# Altium PCB SI941C.PcbDoc (part 2 of 3)
Units mm, origin at the board's own origin, x right, y up, seen from the top; angles counter-clockwise.
Board outline 281.94 x 89 mm, 4 copper layers (Top, MidLayer1, MidLayer2, Bottom), stack 1.65 mm thick; 324 components, 169 nets, 867 pads, 510 vias.
Unrouted connection lines stored in the file: 3.
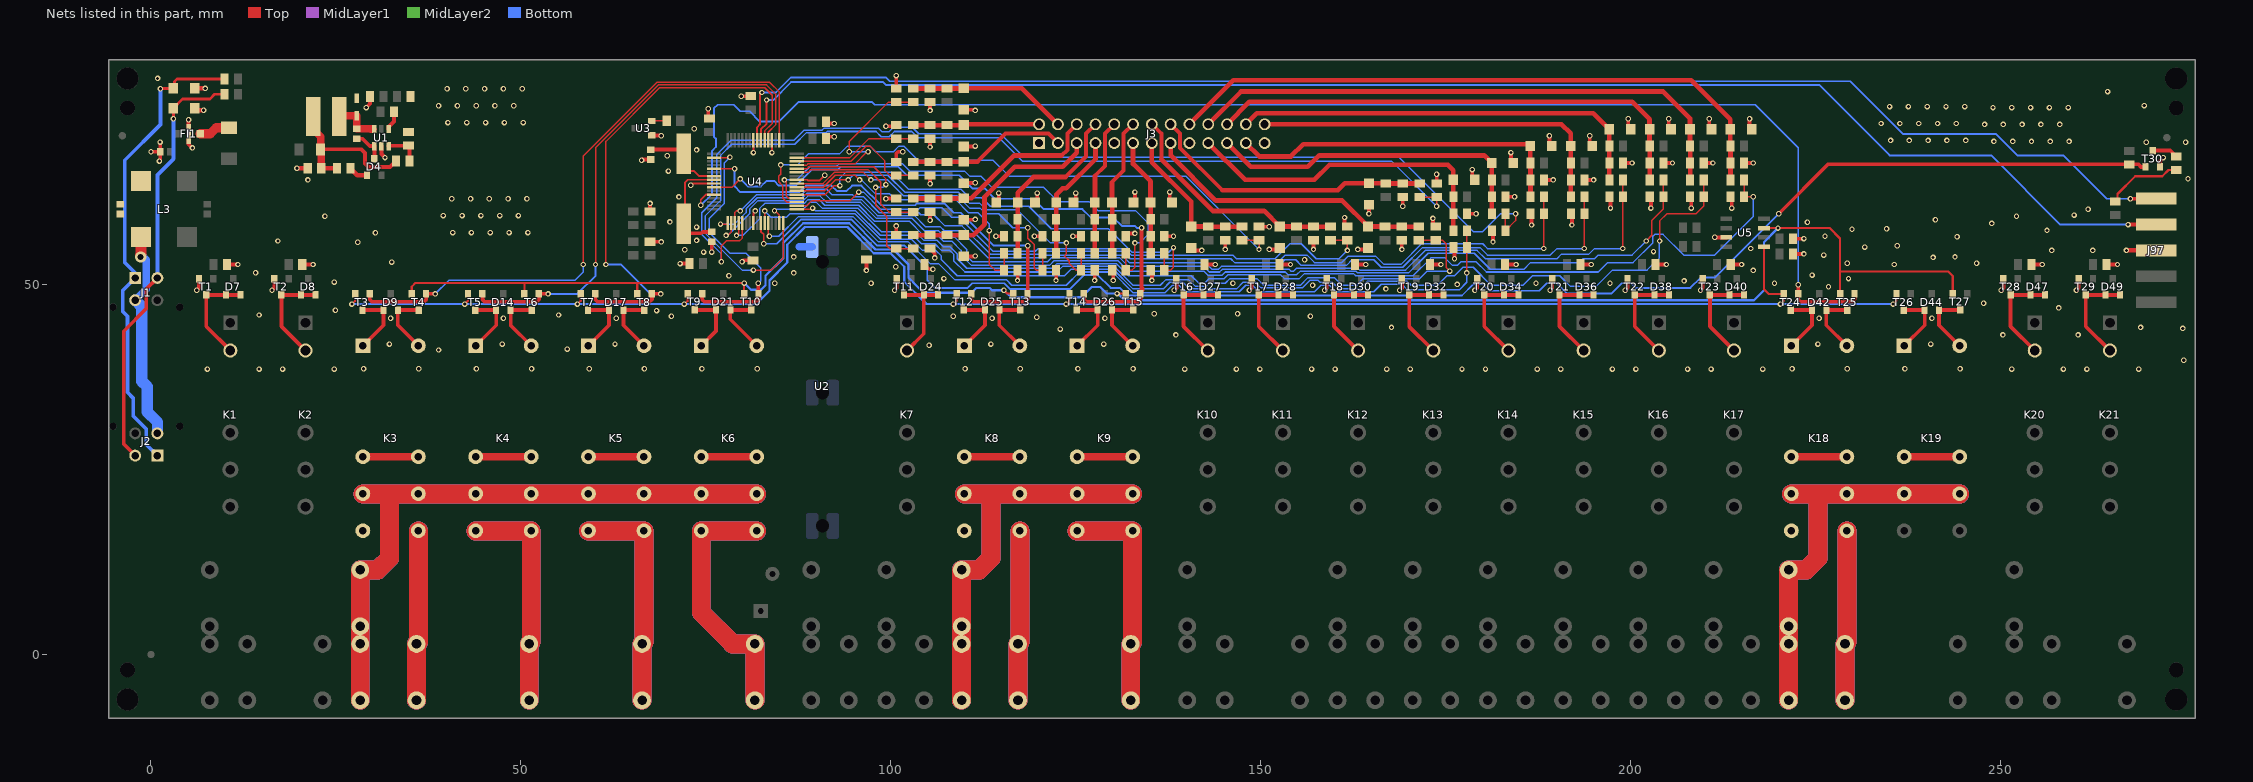
[diagram p4: the nets of this part, all layers, seen from the top]

## Via types
v1: diameter 0.737, hole 0.432, Top to Bottom, 503 vias
v2: diameter 1.524, hole 0.8, Top to Bottom, 4 vias
v3: diameter 1.27, hole 0.8, Top to Bottom, 3 vias

## Nets (pads, with @x,y where several pads share a name; then routed paths per layer and width w, separated by ;. In a path a pad name is that pad's centre, name@x,y a point inside that pad or via, vN(x,y) a via of type N, cw(c..) or ccw(c..) an arc to the next point about the centre after c; other vN are vias at no path point) (continued)
GND: C1.2 C2.1 C4.1 C5.1 C6.1 C7.1 C8.1 C9.1 C10.1 C11.1 C12.1 C13.1 C14.1 C15.2 C16.1 C17.2 C18.1 C19.1 C20.1 C21.1 C22.1 C23.1 C24.1 C25.1 C26.1 C27.1 C28.1 C29.1 C30.1 C31.1 C32.1 C33.1 C34.1 C35.1 C36.1 C37.1 C38.2 C39.1 C40.1 D1.A D2.A D6.A D10.A D11.A D12.A D13.A D15.A D16.A D18.A D19.A D20.A D22.A D23.A D29.A D31.A D33.A D35.A D37.A D39.A D41.A D43.A D45.A D46.A D48.A FI1.2 J3.1 J3.9 J3.17 J3.25 J97.3 L3.4 R2.1 R6.1 R7.1 R11.1 R13.1 R17.1 R19.1 R22.1 R24.1 R29.1 R31.1 R34.1 R37.1 R39.1 R41.1 R45.1 R46.1 R48.1 R50.1 R52.1 R54.1 R56.1 R58.1 R60.1 R62.1 R63.1 R66.1 R67.1 R72.1 R73.1 R76.1 R79.1 R82.1 R85.1 R86.1 R89.1 R94.1 T1.2 T2.2 T11.2 T16.2 T17.2 T18.2 T19.2 T20.2 T21.2 T22.2 T23.2 T28.2 T29.2 T30.2 U1.2 U2.3UC U3.1 U4.9 U4.20 U4.25 U4.41 U4.56 U5.3 | length 189.9
  Top w0.254: v1(72.934,63.422) 73.16,63.648 U4.41@76.065,63.648 ; v1(81.407,67.818) 81.415,67.826 U4.25@81.415,69.498 ; U4.56@81.415,58.298 81.415,59.715 v1(81.644,59.944) ; v1(83.915,67.818) U4.20@83.915,69.498 U4.20@83.947,69.466 ; U4.9@87.265,64.148 88.683,64.148 88.773,64.058 90.347,64.058 v1(91.059,64.77)
  Top w0.5: v1(5.08,72.263) FI1.2@5.08,70.358 5.08,68.961 v1(5.588,68.453)
  Top w0.508: v1(0,67.945) C40.1@1.234,67.945 ; v1(1.143,66.675) 1.234,66.766 C40.1@1.234,67.945 ; v1(1.234,69.251) C40.1@1.234,67.945 ; v1(6.191,49.212) 6.486,49.508 T1.2@6.486,50.789 ; R6.1@10.281,52.705 v1(11.747,52.705) ; v1(16.351,49.212) 16.646,49.508 T2.2@16.646,50.789 ; R7.1@20.441,52.705 v1(21.907,52.705) ; v1(29.083,73.914) 29.597,74.428 C1.2@29.597,75.406 ; U1.2@31.147,68.699 31.147,67.627 v1(31.623,67.151) ; v1(66.294,66.802) 66.385,66.893 C22.1@67.564,66.893 ; C24.1@67.437,55.778 68.936,55.778 v1(68.961,55.753) ; C26.1@67.437,59.842 v1(67.437,60.96) ; U3.1@67.648,70.145 v1@68.666,70.145 ; v1(71.501,52.832) C21.1@72.746,52.832 ; C18.1@75.315,72.433 v1(75.315,73.741) ; v1(75.791,54.373) C23.1@75.791,55.766 ; v1(79.756,75.438) C19.1@81.019,75.438 ; v1(79.883,53.086) 80.065,53.268 C20.1@81.347,53.268 ; C25.1@91.211,69.723 91.465,69.977 v1(92.329,69.977) ; C17.2@91.211,72.009 91.465,71.755 v1(92.329,71.755) ; v1(96.679,51.911) C15.2@96.679,53.378 ; v1(99.314,61.595) 99.339,61.62 C5.1@100.711,61.62 ; v1@99.314,71.501 99.441,71.374 100.559,71.374 C6.1@100.711,71.526 ; v1(100.489,49.212) 100.784,49.508 T11.2@100.784,50.789 ; C12.1@100.711,56.667 100.711,57.785 100.584,57.912 v1(100.711,57.912) ; C8.1@100.711,66.573 100.711,67.691 100.965,67.945 v1(101.6,67.945) ; C10.1@100.711,76.479 v1(100.711,78.232) ; R39.1@104.546,52.705 105.181,52.07 v1(105.664,52.07) ; R31.1@105.283,54.839 105.918,54.204 v1(105.918,53.594) ; v1(105.283,58.674) R11.1@105.283,59.792 ; v1(105.283,63.627) R19.1@105.283,64.745 ; v1(105.283,68.58) R13.1@105.283,69.698 ; v1(105.283,73.533) R24.1@105.283,74.651 ; D19.A@109.855,53.795 111.326,53.795 v1(111.379,53.848) ; D10.A@109.855,58.748 111.326,58.748 v1(111.379,58.801) ; D13.A@109.855,63.701 111.326,63.701 v1(111.379,63.754) ; D11.A@109.855,68.654 111.326,68.654 v1(111.379,68.707) ; D16.A@109.855,73.607 111.326,73.607 111.379,73.554 v1(111.379,73.533) ; v1(114.173,56.515) R22.1@115.291,56.515 ; D15.A@114.247,61.087 114.554,61.394 v1(114.554,62.357) ; v1(117.094,50.546) 117.119,50.571 C9.1@117.119,51.943 ; v1(119.38,56.515) R17.1@120.498,56.515 ; D12.A@119.454,61.087 119.761,61.394 v1(119.761,62.357) ; v1(122.301,50.546) 122.326,50.571 C7.1@122.326,51.943 ; v1(124.587,56.515) R29.1@125.705,56.515 ; D18.A@124.661,61.087 124.968,61.394 v1(124.968,62.357) ; v1(127.508,50.546) 127.533,50.571 C11.1@127.533,51.943 ; C14.1@129.896,51.943 130.048,51.791 v1(130.048,50.546) ; R37.1@131.724,56.515 132.105,56.896 v1(132.969,56.896) ; D22.A@132.768,61.087 132.969,61.288 v1(132.969,62.484) ; C13.1@135.103,51.943 135.255,51.791 v1(135.255,50.546) ; R34.1@136.931,56.515 v1(138.176,56.515) ; v1(137.668,62.484) 137.668,61.394 D20.A@137.975,61.087 ; v1(138.271,49.212) 138.566,49.508 T16.2@138.566,50.789 ; D23.A@140.589,54.938 140.388,54.737 140.515,54.61 v1(141.986,54.61) ; R45.1@142.361,52.705 v1(143.827,52.705) ; v1(145.161,54.737) R41.1@145.161,55.982 ; v1(148.431,49.212) 148.726,49.508 T17.2@148.726,50.789 ; C16.1@149.733,57.81 v1(151.13,57.81) ; v1(151.13,54.737) 152.326,54.737 D29.A@152.527,54.938 ; R48.1@152.521,52.705 v1(153.987,52.705) ; v1(157.099,54.737) R46.1@157.099,55.982 ; v1(158.591,49.212) 158.886,49.508 T18.2@158.886,50.789 ; v1(161.29,59.055) 161.29,58.191 C27.1@161.671,57.81 ; R52.1@162.681,52.705 v1(164.147,52.705) ; v1(163.068,54.737) 164.264,54.737 D31.A@164.465,54.938 ; v1(164.592,59.563) D33.A@164.592,60.78 ; v1(168.751,49.212) 169.046,49.508 T19.2@169.046,50.789 ; v1(169.037,54.737) R50.1@169.037,55.982 ; v1(169.164,60.579) R54.1@169.164,61.824 ; R56.1@172.841,52.705 v1(174.307,52.705) ; v1(173.228,58.928) 173.228,58.191 C28.1@173.609,57.81 ; C29.1@173.736,63.652 v1(173.736,64.897) ; C31.1@175.997,54.991 176.149,54.839 v1(176.149,53.467) ; R62.1@177.825,59.563 v1(179.07,59.563) ; v1(178.562,65.532) 178.562,64.442 D37.A@178.869,64.135 ; v1(178.911,49.212) 179.206,49.508 T20.2@179.206,50.789 ; C33.1@181.204,57.277 181.356,57.125 v1(181.356,55.753) ; R60.1@183.001,52.705 v1(184.467,52.705) ; R73.1@183.032,61.849 v1(184.277,61.849) ; v1(183.769,67.818) 183.769,66.728 D41.A@184.076,66.421 ; C35.1@186.411,59.563 186.563,59.411 v1(186.563,58.039) ; R79.1@188.239,64.135 v1(189.484,64.135) ; v1(188.976,70.104) 188.976,69.014 D45.A@189.283,68.707 ; v1(189.071,49.212) 189.366,49.508 T21.2@189.366,50.789 ; C37.1@191.872,59.563 192.024,59.411 v1(192.024,58.039) ; R63.1@193.161,52.705 v1(194.627,52.705) ; R86.1@193.7,64.135 v1(194.945,64.135) ; v1(194.437,70.104) 194.437,69.014 D48.A@194.744,68.707 ; C36.1@197.079,61.849 197.231,61.697 v1(197.231,60.325) ; R82.1@198.907,66.421 v1(200.152,66.421) ; v1(199.231,49.212) 199.526,49.508 T22.2@199.526,50.789 ; v1(199.644,72.39) 199.644,71.3 D46.A@199.951,70.993 ; C34.1@202.54,61.849 202.692,61.697 v1(202.692,60.325) ; R66.1@203.321,52.705 v1(204.787,52.705) ; R76.1@204.368,66.421 v1(205.613,66.421) ; v1(205.105,72.39) 205.105,71.3 D43.A@205.412,70.993 ; C32.1@208.001,61.849 208.153,61.697 v1(208.153,60.325) ; v1(209.391,49.212) 209.686,49.508 T23.2@209.686,50.789 ; R67.1@209.829,66.421 v1(211.074,66.421) ; v1(210.566,72.39) 210.566,71.3 D39.A@210.873,70.993 ; v1(211.328,56.388) 211.36,56.356 U5.3@212.884,56.356 ; C30.1@213.462,61.849 213.614,61.697 v1(213.614,60.325) ; R72.1@213.481,52.705 v1(214.947,52.705) ; R58.1@215.29,66.421 v1(216.535,66.421) ; v1(216.027,72.39) 216.027,71.3 D35.A@216.334,70.993 ; C39.1@221.894,54.134 v1(223.361,54.134) ; C38.2@221.894,56.197 v1(223.361,56.197) ; v1(250.031,49.212) 250.326,49.508 T28.2@250.326,50.789 ; R85.1@254.121,52.705 v1(255.587,52.705) ; v1(260.191,49.212) 260.486,49.508 T29.2@260.486,50.789 ; R89.1@264.281,52.705 v1(265.748,52.705) ; T30.2@271.485,65.892 271.485,66.697 v1(271.939,67.151)
  Top w0.635: D2.A@5.927,73.803 6.181,73.549 v1(7.112,73.549) ; D1.A@5.927,76.502 v1(7.334,76.502) ; v1(19.717,65.722) C4.1@21.184,65.722 ; v1(266.954,54.61) J97.3@270.975,54.61
  Bottom w1.016: 87.63,55.086 87.636,55.08 U2.3UC@89.336,55.08
  other v1: 7.62,38.576 14.605,38.576 17.78,38.576 24.765,38.576 139.7,38.576 146.685,38.576 149.86,38.576 156.845,38.576 160.02,38.576 167.005,38.576 170.18,38.576 177.165,38.576 180.34,38.576 187.325,38.576 190.5,38.576 197.485,38.576 200.66,38.576 207.645,38.576 210.82,38.576 217.805,38.576 251.46,38.576 258.445,38.576 261.62,38.576 268.605,38.576 28.734,38.621 36.195,38.621 43.974,38.621 51.435,38.621 59.214,38.621 66.675,38.621 74.454,38.621 81.915,38.621 110.014,38.621 117.475,38.621 125.254,38.621 132.715,38.621 221.774,38.621 229.235,38.621 237.014,38.621 244.475,38.621 274.701,39.751 38.862,41.148 56.261,41.275 105.156,41.783 32.226,41.955 47.466,41.955 62.706,41.955 113.506,41.955 128.746,41.955 225.266,41.955 240.506,41.955 138.505,43.18 250.265,43.18 260.425,43.18 122.872,43.974 274.574,44.069 167.64,44.196 268.859,44.196 32.385,45.447 47.625,45.447 62.865,45.447 113.665,45.447 128.905,45.447 225.425,45.447 240.665,45.447 119.697,45.561 70.326,45.72 108.426,45.72 156.686,45.72 14.605,45.879 55.086,45.879 135.572,46.038 146.844,46.038 68.326,46.482 24.924,46.514 257.81,46.831 247.65,47.466 166.878,49.403 226.695,49.689 156.972,49.911 176.53,50.006 84.296,50.165 97.314,50.165 146.209,50.165 187.166,50.165 197.167,50.165 219.392,50.165 24.765,50.324 207.169,50.482 107.156,50.8 229.394,50.8 78.105,51.181 224.472,51.276 86.868,51.562 14.129,51.594 216.535,51.911 100.647,52.387 235.585,52.705 229.235,52.864 246.697,52.864 32.544,53.023 155.892,53.34 240.824,53.657 86.868,53.721 243.789,53.721 226.06,53.975 74.68,54.373 203.041,54.451 256.858,54.61 262.414,54.61 72.14,54.691 216.186,54.864 231.597,55.048 235.991,55.245 27.94,55.721 17.145,55.88 73.727,55.961 244.069,56.464 226.219,56.515 30.321,56.991 40.767,57.023 43.307,57.023 45.847,57.023 48.387,57.023 50.927,57.023 256.222,57.309 229.87,57.468 234.544,57.531 73.727,57.758 248.761,58.261 223.837,58.42 70.121,58.45 241.141,58.737 23.495,59.214 252.095,59.214 39.497,59.309 42.037,59.309 44.577,59.309 47.117,59.309 49.657,59.309 259.874,59.372 261.779,60.166 40.64,61.595 43.18,61.595 45.72,61.595 48.26,61.595 50.8,61.595 71.346,61.834 21.209,64.135 275.272,64.294 69.917,65.327 69.759,67.391 73.727,68.184 269.621,69.215 274.955,69.215 249.047,69.342 251.587,69.342 254.127,69.342 256.667,69.342 259.207,69.342 235.077,69.469 237.617,69.469 240.157,69.469 242.697,69.469 245.237,69.469 68.961,70.104 73.41,71.042 99.314,71.374 247.777,71.628 250.317,71.628 252.857,71.628 255.397,71.628 257.937,71.628 233.807,71.755 236.347,71.755 238.887,71.755 241.427,71.755 243.967,71.755 40.132,71.882 42.672,71.882 45.212,71.882 47.752,71.882 50.292,71.882 248.92,73.914 251.46,73.914 254,73.914 256.54,73.914 259.08,73.914 234.95,74.041 237.49,74.041 240.03,74.041 242.57,74.041 245.11,74.041 38.862,74.168 41.402,74.168 43.942,74.168 46.482,74.168 49.022,74.168 269.367,74.184 264.414,76.073 40.005,76.454 42.545,76.454 45.085,76.454 47.625,76.454 50.165,76.454 0.889,77.851
GNDBUS: J1.3 J2.3 L3.3 R94.2 | length 29.6
  Top w1.5: v2@-1.397,53.975 -1.332,54.04 L3.3@-1.332,56.388
  Bottom w1.016: J1.3@-2.135,47.88 -0.635,49.38 -0.635,53.343 ; v2@-1.013,53.721 -0.635,53.343 ; v2@-1.013,53.721 v2(-1.397,53.721) v2@-1.013,53.721 ; v2@-1.013,53.721 -0.635,53.343
  Bottom w1.524: J1.3@-2.135,47.88 -1.245,46.99 -1.245,36.932 -0.508,36.195 -0.508,32.766 0.865,31.393 J2.3@0.865,29.88
ICSPCLK: J97.4 U4.23 | length 202.5
  Top w0.254: U4.23@82.415,69.498 82.415,70.985 83.185,71.755 v1(83.185,74.93)
  Top w0.508: v1(267.176,58.102) 267.184,58.11 J97.4@270.975,58.11
  Bottom w0.254: v1(83.185,74.93) 84.074,74.93 86.487,77.343 98.933,77.343 99.314,76.962 225.425,76.962 234.95,67.437 248.666,67.437 258,58.102 v1(267.176,58.102)
ICSPDAT: J97.5 U4.24 | length 202.8
  Top w0.254: U4.24@81.915,69.498 81.915,71.247 82.296,71.628 82.296,75.692 v1(82.55,75.946)
  Top w0.508: v1(267.494,61.595) 270.96,61.595 J97.5@270.975,61.61
  Bottom w0.254: v1(82.55,75.946) 84.455,75.946 86.487,77.978 99.314,77.978 99.822,77.47 229.616,77.47 236.728,70.358 249.301,70.358 252.222,67.437 258.445,67.437 264.287,61.595 v1(267.494,61.595)
IN0: D11.K J3.2 R9.1 R12.1 R13.2 | length 17.1
  Top w0.635: R12.1@102.997,71.526 R13.2@105.283,71.526 R9.1@107.569,71.526 109.827,71.526 D11.K@109.855,71.554 109.951,71.65 J3.2@120.015,71.65
IN0_UC: C6.2 R12.2 U4.15 | length 16.8
  Top w0.203: U4.15@87.265,67.148 94.453,67.148 97.028,69.723 100.686,69.723 C6.2@100.711,69.698 R12.2@102.997,69.698
IN1: D13.K J3.3 R15.1 R18.1 R19.2 | length 21.7
  Top w0.535: 111.686,66.601 115.467,70.382 121.283,70.382 J3.3@122.555,69.11
  Top w0.635: R18.1@102.997,66.573 R19.2@105.283,66.573 R15.1@107.569,66.573 109.827,66.573 D13.K@109.855,66.601 111.686,66.601
IN1_UC: C8.2 R18.2 U4.14 | length 19
  Top w0.203: U4.14@87.265,66.648 94.588,66.648 96.647,68.707 97.155,68.707 99.187,66.675 99.187,65.405 99.847,64.745 C8.2@100.711,64.745 R18.2@102.997,64.745
IN2: D16.K J3.4 R23.1 R24.2 R25.1 | length 21.6
  Top w0.635: R23.1@102.997,76.479 R24.2@105.283,76.479 R25.1@107.569,76.479 109.827,76.479 D16.K@109.855,76.507 117.698,76.507 J3.4@122.555,71.65
IN2_UC: C10.2 R23.2 U4.13 | length 25.2
  Top w0.203: U4.13@87.265,66.148 88.627,66.148 88.773,66.294 95.123,66.294 96.774,67.945 v1(96.901,67.945) ; v1(94.361,67.945) 94.361,69.342 99.67,74.651 C10.2@100.711,74.651 R23.2@102.997,74.651
  Bottom w0.203: v1(94.361,67.945) v1(96.901,67.945)
IN3: D19.K J3.5 R27.1 R30.1 R31.2 | length 30.2
  Top w0.635: R30.1@102.997,56.667 R31.2@105.283,56.667 R27.1@107.569,56.667 D19.K@109.827,56.667 ; D19.K@109.855,56.695 109.908,56.642 111.125,56.642 112.649,58.166 112.649,61.849 116.713,65.913 123.19,65.913 125.095,67.818 J3.5@125.095,69.11
IN3_UC: C12.2 R30.2 U4.12 | length 27.4
  Top w0.203: U4.12@87.265,65.648 88.635,65.648 88.9,65.913 97.663,65.913 99.314,64.262 v1(99.314,63.5) ; v1(97.917,63.119) 97.917,60.706 99.441,59.182 99.441,55.245 99.847,54.839 C12.2@100.711,54.839 R30.2@102.997,54.839
  Bottom w0.203: v1(97.917,63.119) 98.933,63.119 v1(99.314,63.5)
IN4: D10.K J3.6 R8.1 R10.1 R11.2 | length 27.5
  Top w0.535: 123.063,67.437 123.825,68.199 123.825,70.38 J3.6@125.095,71.65
  Top w0.635: R10.1@102.997,61.62 R11.2@105.283,61.62 R8.1@107.569,61.62 D10.K@109.827,61.62 ; D10.K@109.855,61.648 110.871,61.648 116.66,67.437 123.063,67.437
IN4_UC: C5.2 R10.2 U4.11 | length 20
  Top w0.203: U4.11@87.265,65.148 88.77,65.148 89.154,65.532 96.901,65.532 98.615,63.817 98.615,60.896 99.72,59.792 C5.2@100.711,59.792 R10.2@102.997,59.792
IN5: D12.K J3.7 R14.1 R16.1 R17.2 | length 17.3
  Top w0.635: R16.1@122.326,54.229 R17.2@122.326,56.515 R14.1@122.326,58.801 D12.K@122.326,61.059 ; D12.K@122.354,61.087 122.354,62.156 123.19,62.992 123.698,62.992 127.635,66.929 J3.7@127.635,69.11
IN5_UC: C7.2 R16.2 U4.8 | length 44.3
  Top w0.203: U4.8@87.265,63.648 90.826,63.648 92.329,65.151 96.266,65.151 v1(97.282,64.135) ; v1(118.491,57.658) 118.491,56.261 119.38,55.372 119.38,52.197 119.634,51.943 C7.2@120.498,51.943 R16.2@120.498,54.229
  Bottom w0.203: v1(97.282,64.135) 99.568,64.135 101.727,61.976 108.966,61.976 110.617,60.325 112.014,60.325 112.776,59.563 114.554,59.563 116.459,57.658 v1(118.491,57.658)
IN6: D15.K J3.8 R20.1 R21.1 R22.2 | length 24.3
  Top w0.535: 123.571,64.516 126.365,67.31 126.365,70.38 J3.8@127.635,71.65
  Top w0.635: R21.1@117.119,54.229 R22.2@117.119,56.515 R20.1@117.119,58.801 D15.K@117.119,61.059 ; D15.K@117.147,61.087 117.147,62.41 119.253,64.516 123.571,64.516
IN6_UC: C9.2 R21.2 U4.7 | length 39.5
  Top w0.203: U4.7@87.265,63.148 90.834,63.148 92.456,64.77 95.123,64.77 v1(95.758,64.135) ; v1(113.284,57.277) 113.284,52.705 114.046,51.943 C9.2@115.291,51.943 R21.2@115.291,54.229
  Bottom w0.203: v1(95.758,64.135) 96.012,64.135 97.917,62.23 99.822,62.23 100.584,61.468 108.712,61.468 110.49,59.69 111.76,59.69 113.284,58.166 v1(113.284,57.277)
IN7: D18.K J3.10 R26.1 R28.1 R29.2 | length 18.5
  Top w0.535: 127.561,64.696 128.905,66.04 128.905,70.38 J3.10@130.175,71.65
  Top w0.635: R28.1@127.533,54.229 R29.2@127.533,56.515 R26.1@127.533,58.801 D18.K@127.533,61.059 ; D18.K@127.561,61.087 127.561,64.696
IN7_UC: C11.2 R28.2 U4.6 | length 48.5
  Top w0.203: U4.6@87.265,62.648 90.969,62.648 92.456,64.135 v1(94.234,64.135) ; v1(123.698,55.626) 123.698,54.102 123.444,53.848 124.079,53.213 124.079,52.832 124.968,51.943 C11.2@125.705,51.943 R28.2@125.705,54.229
  Bottom w0.203: v1(94.234,64.135) 94.869,64.77 99.568,64.77 101.854,62.484 109.093,62.484 110.617,60.96 112.014,60.96 112.903,60.071 117.094,60.071 121.539,55.626 v1(123.698,55.626)
IN8: D20.K J3.11 R32.1 R33.1 R34.2 | length 15.9
  Top w0.635: J3.11@132.715,69.11 132.715,66.294 135.075,63.934 D20.K@135.075,61.087 135.103,61.059 R32.1@135.103,58.801 R34.2@135.103,56.515 R33.1@135.103,54.229
IN8_UC: C13.2 R33.2 U4.5 | length 63.8
  Top w0.203: U4.5@87.265,62.148 91.104,62.148 92.329,63.373 v1(93.091,63.373) ; R33.2@136.931,54.229 C13.2@136.931,51.943 137.795,51.943 138.176,52.324 v1(138.176,54.991)
  Bottom w0.203: v1(93.091,63.373) 93.091,64.389 93.853,65.151 100.076,65.151 102.362,62.865 109.474,62.865 110.617,61.722 112.268,61.722 113.411,60.579 118.618,60.579 121.666,57.531 129.413,57.531 132.588,54.356 137.541,54.356 v1(138.176,54.991)
IN9: D22.K J3.12 R35.1 R36.1 R37.2 | length 18.6
  Top w0.535: 129.868,63.828 131.445,65.405 131.445,70.38 J3.12@132.715,71.65
  Top w0.635: 129.868,63.828 D22.K@129.868,61.087 129.896,61.059 R36.1@129.896,58.801 R37.2@129.896,56.515 R35.1@129.896,54.229
IN9_UC: C14.2 R35.2 U4.4 | length 67.9
  Top w0.203: v1(85.598,64.135) 85.852,63.881 85.852,61.976 86.18,61.648 U4.4@87.265,61.648 ; R35.2@131.724,54.229 C14.2@131.724,51.943 132.588,51.943 132.969,52.324 v1(132.969,55.626)
  Bottom w0.203: v1(85.598,64.135) 87.249,64.135 89.09,65.976 92.646,65.976 92.964,66.294 101.6,66.294 102.616,65.278 109.982,65.278 110.617,64.643 112.141,64.643 113.665,63.119 120.65,63.119 122.555,61.214 126.746,61.214 128.016,59.944 133.096,59.944 134.747,58.293 134.747,56.769 133.604,55.626 v1(132.969,55.626)
IN10: D23.K J3.13 R38.1 R40.1 R41.2 | length 20.4
  Top w0.635: J3.13@135.255,69.11 135.255,66.548 140.589,61.214 D23.K@140.589,57.838 142.847,57.838 R38.1@142.875,57.81 R41.2@145.161,57.81 R40.1@147.447,57.81
IN10_UC: C16.2 R40.2 U4.3 | length 82.6
  Top w0.203: v1(85.09,66.167) 85.09,64.897 84.836,64.643 84.836,63.881 85.344,63.373 85.344,61.722 85.918,61.148 U4.3@87.265,61.148 ; R40.2@147.447,55.982 C16.2@149.733,55.982 v1(149.733,54.737)
  Bottom w0.203: v1(85.09,66.167) 87.376,66.167 88.9,67.691 93.091,67.691 94.107,68.707 97.155,68.707 97.917,67.945 100.33,67.945 101.092,68.707 101.727,68.707 103.632,66.802 113.792,66.802 115.951,64.643 139.827,64.643 v1(149.733,54.737)
IN11: D29.K J3.14 R46.2 R47.1 R49.1 | length 31.9
  Top w0.535: J3.14@135.255,71.65 136.525,70.38 136.525,66.929
  Top w0.635: 136.525,66.929 143.51,59.944 150.421,59.944 D29.K@152.527,57.838 154.785,57.838 R49.1@154.813,57.81 R46.2@157.099,57.81 R47.1@159.385,57.81
IN11_UC: C27.2 R47.2 U4.2 | length 85.2
  Top w0.203: U4.2@87.265,60.648 88.646,60.648 89.339,61.341 94.488,61.341 v1(95.631,62.484) ; R47.2@159.385,55.982 C27.2@161.671,55.982 v1(161.671,54.61)
  Bottom w0.203: v1(95.631,62.484) 96.266,62.484 98.552,60.198 103.759,60.198 103.95,60.389 106.87,60.389 108.204,59.055 109.22,59.055 113.792,54.483 119.507,54.483 119.888,54.864 131.572,54.864 132.461,53.975 146.177,53.975 146.685,53.467 151.892,53.467 153.924,55.499 155.448,55.499 157.48,53.467 160.528,53.467 v1(161.671,54.61)
IN12: D31.K J3.15 R50.2 R51.1 R53.1 | length 39.2
  Top w0.635: J3.15@137.795,69.11 137.795,67.437 143.891,61.341 160.962,61.341 D31.K@164.465,57.838 166.723,57.838 R53.1@166.751,57.81 R50.2@169.037,57.81 R51.1@171.323,57.81
IN12_UC: C28.2 R51.2 U4.1 | length 104.7
  Top w0.203: U4.1@87.265,60.148 89.231,60.148 v1(89.408,60.325) ; R51.2@171.323,55.982 C28.2@173.609,55.982 174.523,55.982 175.006,55.499 175.006,52.324 v1(175.514,51.816)
  Bottom w0.203: v1(89.408,60.325) 89.789,59.944 95.25,59.944 98.552,56.642 102.997,56.642 104.14,55.499 105.918,55.499 106.807,54.61 107.95,54.61 108.458,54.102 108.458,53.213 109.982,51.689 122.428,51.689 123.19,52.451 130.175,52.451 132.715,49.911 136.398,49.911 137.16,50.673 140.208,50.673 141.097,49.784 142.621,49.784 143.002,50.165 145.161,50.165 145.796,50.8 149.479,50.8 150.368,49.911 155.321,49.911 156.337,50.927 159.893,50.927 160.909,49.911 162.941,49.911 163.83,50.8 171.45,50.8 172.466,51.816 v1(175.514,51.816)
IN13: D33.K J3.16 R54.2 R55.1 R57.1 | length 38.9
  Top w0.535: J3.16@137.795,71.65 139.065,70.38 139.065,68.453 144.78,62.738
  Top w0.635: 144.78,62.738 160.401,62.738 161.343,63.68 D33.K@164.592,63.68 166.85,63.68 R57.1@166.878,63.652 R54.2@169.164,63.652 R55.1@171.45,63.652
IN13_UC: C29.2 R55.2 U4.64 | length 135.7
  Top w0.203: v1(81.407,51.943) 83.82,51.943 85.415,53.538 U4.64@85.415,58.298 ; R55.2@171.45,61.824 C29.2@173.736,61.824 v1(173.736,60.579)
  Bottom w0.203: v1(81.407,51.943) 79.883,51.943 74.93,56.896 74.93,59.309 76.962,61.341 76.962,67.437 78.486,68.961 86.995,68.961 88.519,70.485 91.186,70.485 91.376,70.675 97.98,70.675 98.679,69.977 99.758,69.977 100.457,70.675 102.806,70.675 103.632,69.85 114.554,69.85 117.729,66.675 167.64,66.675 v1(173.736,60.579)
IN14: D35.K J3.18 R58.2 R59.1 R61.1 | length 85.9
  Top w0.635: J3.18@140.335,71.65 146.282,77.597 208.153,77.597 213.434,72.316 D35.K@213.434,70.993 213.434,68.735 R61.1@213.462,68.707 R58.2@213.462,66.421 R59.1@213.462,64.135
IN14_UC: C30.2 R59.2 U4.63 | length 155.3
  Top w0.203: v1@84.455,59.817 84.915,59.357 U4.63@84.915,58.298 ; R59.2@215.29,64.135 C30.2@215.29,61.849 v1(216.535,61.849)
  Bottom w0.203: v1(84.255,59.967) 84.486,60.198 88.138,60.198 89.027,61.087 89.916,61.087 90.678,60.325 95.504,60.325 98.679,57.15 103.251,57.15 104.394,56.007 106.172,56.007 107.061,55.118 107.95,55.118 108.966,54.102 108.966,53.467 110.236,52.197 121.793,52.197 122.428,52.832 130.429,52.832 132.08,51.181 140.589,51.181 141.605,50.165 142.367,50.165 143.002,50.8 145.034,50.8 145.542,51.308 152.654,51.308 153.162,50.8 155.194,50.8 155.829,51.435 162.56,51.435 162.814,51.181 170.561,51.181 172.974,53.594 174.879,53.594 175.895,52.578 176.53,52.578 177.038,53.086 179.07,53.086 180.467,51.689 195.58,51.689 196.85,52.959 200.279,52.959 202.946,55.626 202.946,56.515 203.2,56.769 204.343,56.769 207.137,53.975 211.328,53.975 216.535,59.182 v1(216.535,61.849)
IN15: D37.K J3.19 R62.2 R64.1 R65.1 | length 44.5
  Top w0.635: J3.19@142.875,69.11 147.85,64.135 157.226,64.135 159.258,66.167 175.26,66.167 175.969,65.458 D37.K@175.969,64.135 175.969,61.877 R65.1@175.997,61.849 R62.2@175.997,59.563 R64.1@175.997,57.277